# Altium PCB PCB1.PcbDoc (part 2 of 5) (continued)
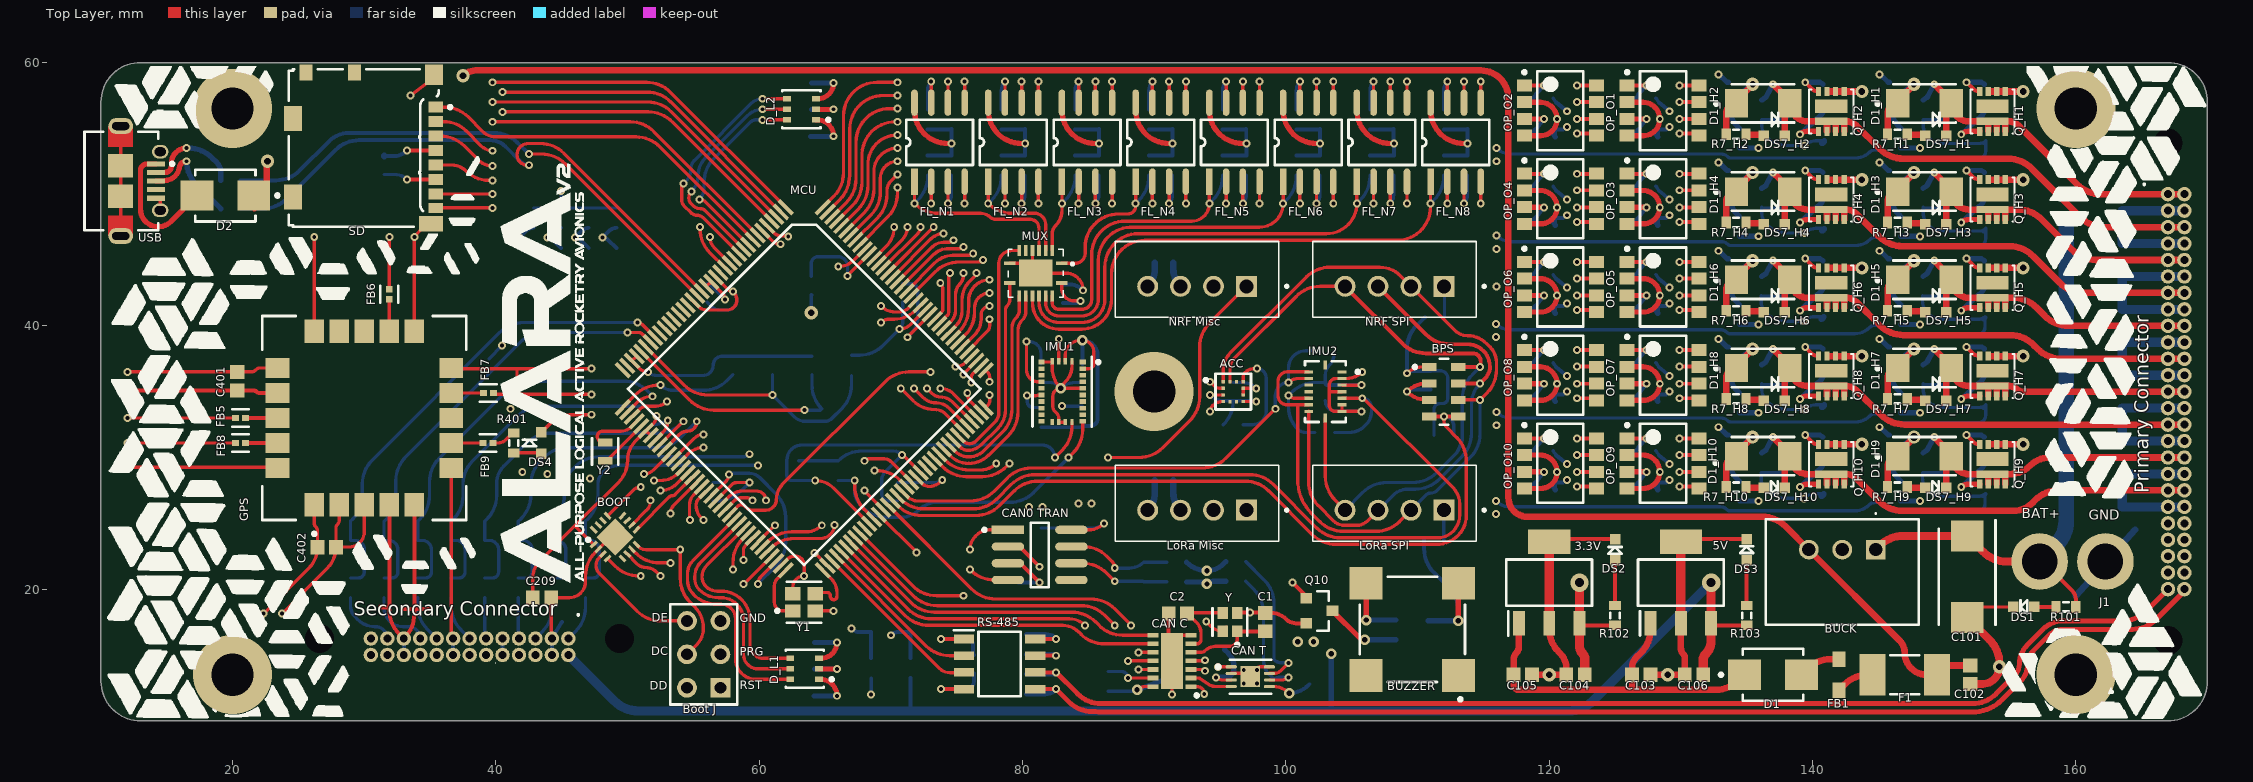
[diagram p0: Top Layer view]
## Nets (pads, with @x,y where several pads share a name; then routed paths per layer and width w, separated by ;. In a path a pad name is that pad's centre, name@x,y a point inside that pad or via, vN(x,y) a via of type N, cw(c..) or ccw(c..) an arc to the next point about the centre after c; other vN are vias at no path point) (continued)
  Bottom Layer w0.4: v3(88.7,12.35) 91,13.2 C3.2@91.35,13.525 ; C601.2@110.8,17.6 v3(113.1,17.6)
  Bottom Layer w0.5: 89.5,26 ccw(c88.172,27.328) 90.05,27.328 C602.2@90.05,28.25 ; 89.5,43 ccw(c88.172,44.328) 90.05,44.328 C603.2@90.05,44.8
5V: 5V.3 "CAN T.3" "Secondary Connector.14" "Secondary Connector.16" "Secondary Connector.17" "Secondary Connector.19" "Secondary Connector.20" "Secondary Connector.22" "Secondary Connector.23" "Secondary Connector.25" C5.2 C106.2 C604.2 R103.2 R106.1 | length 145.8
  Top Layer w0.254: v1(94.7,13.3) ccw(c95.183,13.783) 95.183,13.1 95.85,13.1
  Top Layer w0.3: 5V.3@132.662,17.25 R103.2@135,17.25
  Top Layer w0.7: C106.2@131.7,13.5 131.7,14.617 cw(c132.383,14.617) 131.9,15.1 ccw(c130.934,16.066) 132.3,16.066 5V.3@132.3,17.4 v6(132.3,20.5)
  Bottom Middle Layer w0.4: v1(94.7,13.3) 95.1,13.3 ccw(c95.1,14) 95.8,14 cw(c96.9,14) 96.9,15.1 v3(103.45,15.1)
  Bottom Middle Layer w0.5: 31.75,15 ccw(c33,15) 33,13.75 35.5,13.75 ; 34.25,15 35.5,15 35.5,13.75 ; 38,15 39.25,15 39.25,13.75 ; 41.75,15 43,15 43,13.75 ; 45.5,15 cw(c44.25,15) 44.25,13.75 43,13.75 ; 35.5,13.75 39.25,13.75 ; 39.25,13.75 43,13.75
  Bottom Layer w0.3: 71.45,10.75 71.5,10.75 R106.1@71.5,13.25
  Bottom Layer w0.4: v1(94.7,13.3) 95.4,13.3 ccw(c95.4,13.95) 96.05,13.95 96.05,14.15 ccw(c94.722,14.15) 95.661,15.089 C5.2@95.35,15.4 ; v3(103.45,15.1) 103.45,10.8 ccw(c103.5,10.8) 103.5,10.75
  Bottom Layer w0.7: 45.5,15 49.006,11.494 ccw(c50.802,13.29) 50.802,10.75 71.45,10.75 ; 71.5,10.75 103.5,10.75 121.498,10.75 ccw(c121.498,13.29) 123.294,11.494 v6(132.3,20.5)
"A BLU1": D_L1.4 MCU.63 | length 16
  Top Layer w0.254: MCU.63@58.818,24.605 56.012,21.799 ccw(c56.887,20.924) 55.65,20.924 ccw(c56.674,20.924) 55.95,20.2 ccw(c56.795,21.045) 56.795,19.85 57.1,19.85 cw(c57.1,17.65) 59.3,17.65 59.3,15.75 ccw(c60.3,15.75) 60.3,14.75 D_L1.4@62.35,14.75
"A BLU2": D_L2.4 MCU.11 | length 18.3
  Top Layer w0.254: v1(54.25,50.8) ccw(c54.612,50.438) 54.1,50.438 54.1,49.6 ccw(c54.824,49.6) 54.312,49.088 54.788,48.612 ccw(c55.3,49.124) 55.3,48.4 cw(c55.3,47.847) 55.691,48.238 MCU.11@58.464,45.464 ; v1(60.25,57.25) D_L2.4@62.1,57.25
  Bottom Layer w0.254: v1(54.25,50.8) 54.411,50.961 ccw(c53.472,51.9) 54.8,51.9 cw(c55.766,51.9) 55.083,52.583 59.396,56.896 cw(c60.25,56.043) v1(60.25,57.25)
"A GRN1": D_L1.5 MCU.62 | length 17.7
  Top Layer w0.254: MCU.62@58.464,24.958 55.555,22.049 ccw(c56.655,20.95) 55.1,20.95 55.1,20.795 ccw(c56.295,20.795) 55.45,19.95 ccw(c56.899,21.399) 56.899,19.35 57.1,19.35 cw(c57.1,17.65) 58.8,17.65 58.8,15.05 ccw(c59.9,15.05) 59.9,13.95 D_L1.5@62.35,13.95
"A GRN2": D_L2.5 MCU.10 | length 16.9
  Top Layer w0.254: v1(54.85,50.2) ccw(c55.333,49.717) 54.65,49.717 54.65,49.7 ccw(c55.254,49.7) 54.827,49.273 54.953,49.147 ccw(c55.55,49.745) 55.55,48.9 cw(c55.55,48.451) 55.868,48.768 MCU.10@58.818,45.818 ; v1(60.25,56.45) D_L2.5@62.1,56.45
  Bottom Layer w0.254: v1(54.85,50.2) 54.855,50.205 ccw(c53.66,51.4) 55.35,51.4 cw(c57.281,51.4) 55.916,52.766 59.14,55.99 cw(c60.25,54.881) v1(60.25,56.45)
"A RED1": D_L1.6 MCU.61 | length 19.4
  Top Layer w0.254: MCU.61@58.111,25.312 54.94,22.141 ccw(c55.88,21.2) 54.55,21.2 54.55,20.686 ccw(c56.086,20.686) 55,19.6 55.006,19.594 ccw(c56.802,21.39) 56.802,18.85 57.1,18.85 cw(c57.1,17.75) 58.2,17.75 58.2,14.7 ccw(c59.75,14.7) 59.75,13.15 D_L1.6@62.35,13.15
"A RED2": D_L2.6 MCU.9 | length 15.3
  Top Layer w0.254: v1(55.45,49.6) cw(c55.45,48.892) 55.95,49.393 MCU.9@59.172,46.172 ; v1(60.25,55.65) D_L2.6@62.1,55.65
  Bottom Layer w0.254: v1(55.45,49.6) 55.482,49.632 ccw(c54.714,50.4) 55.8,50.4 55.8,50.898 cw(c58.34,50.898) 56.544,52.694 59.3,55.45 cw(c59.783,54.967) 59.783,55.65 v1(60.25,55.65)
"ACC CSN": ACC.10 MCU.58 R403.2 | length 55.4
  Top Layer w0.254: MCU.58@57.05,26.373 57.723,27.045 cw(c58.7,26.068) 58.7,27.45 59.8,27.45 cw(c59.8,26.75) v1(60.5,26.75) ; ACC.10@96.762,35.75 96.762,36.118 cw(c97.232,36.118) 96.9,36.45 cw(c97.624,35.726) 97.624,36.75 v1(97.8,36.75)
  Top Middle Layer w0.254: v1(60.5,26.75) 79.293,26.75 cw(c79.293,25.043) v1(80.5,26.25)
  Layer 1 w0.254: v1(80.5,26.25) 81.356,27.106 cw(c83.152,25.31) 83.152,27.85 87.798,27.85 ccw(c87.798,30.39) 89.594,28.594 92.756,31.756 ccw(c90.96,33.552) 93.5,33.552 93.5,35.7 cw(c94.55,35.7) 94.55,36.75 v1(97.8,36.75)
  Bottom Layer w0.254: R403.2@96.75,32.5 97.5,32.5 ccw(c97.5,33.5) 98.5,33.5 98.5,36.05 ccw(c97.8,36.05) v1(97.8,36.75)
"ACC TRIG": ACC.4 MCU.59 | length 45.4
  Top Layer w0.254: MCU.59@57.404,26.019 58.077,26.692 cw(c58.7,26.068) 58.7,26.95 59.017,26.95 cw(c59.017,26.267) v1(59.5,26.75) ; v1(94.25,33.5) cw(c94.854,33.5) 94.427,33.927 94.45,33.95 cw(c95.174,33.226) 95.174,34.25 ACC.4@95.237,34.25
  Top Middle Layer w0.254: v1(59.5,26.75) 62.856,30.106 cw(c64.652,28.31) 64.652,30.85 72.198,30.85 cw(c72.198,28.31) 73.994,30.106 76.156,27.944 ccw(c77.952,29.74) 77.804,27.204 ccw(c77.817,27.458) 77.816,27.204 80.028,27.204 cw(c80.028,26.678) 80.4,27.05 80.459,26.991 ccw(c80.8,27.333) 80.8,26.85 80.9,26.85 cw(c80.9,26.25) v1(81.5,26.25)
  Layer 1 w0.254: v1(81.5,26.25) 81.706,26.456 cw(c83.502,24.66) 83.502,27.2 88.248,27.2 ccw(c88.248,29.74) 90.044,27.944 93.506,31.406 ccw(c91.71,33.202) 94.25,33.202 v1(94.25,33.5)
ADDR0: "JP H_J1.2" "JP L_J1.1" MCU.117 | length 37.8
  Top Layer w0.254: MCU.117@74.374,39.454 74.961,40.041 ccw(c73.903,41.1) 75.4,41.1 75.4,41.951 cw(c77.449,41.951) 76,43.4 76.429,43.829 ccw(c76.259,44) v1(76.5,44)
  Layer 2 w0.254: v1(48.1,46.7) 48.606,46.194 ccw(c50.402,47.99) 50.402,45.45 61.6,45.45 ccw(c61.6,47.14) 62.795,45.945 62.8,45.95 cw(c63.524,45.226) 63.524,46.25 73.198,46.25 cw(c73.198,43.71) 74.994,45.506 v1(76.5,44)
  Bottom Layer w0.3: 49.15,45.9 48.527,46.523 ccw(c48.1,46.096) v1(48.1,46.7) 48.638,47.238 cw(c49.15,46.726) 49.15,47.45
ADDR1: "JP H_J2.2" "JP L_J2.1" MCU.118 | length 38.4
  Top Layer w0.254: MCU.118@74.021,39.808 74.572,40.359 ccw(c73.782,41.15) 74.9,41.15 74.9,42.355 cw(c76.095,42.355) 75.25,43.2 ccw(c74.646,43.804) 75.5,43.804 v1(75.5,44)
  Layer 2 w0.254: v1(46,46.7) 47.206,45.494 ccw(c49.002,47.29) 49.002,44.75 62.626,44.75 ccw(c62.626,45.774) 63.35,45.05 cw(c64.919,43.481) 64.919,45.7 72.748,45.7 cw(c72.748,43.16) 74.544,44.956 v1(75.5,44)
  Bottom Layer w0.3: 47.05,45.9 46.427,46.523 ccw(c46,46.096) v1(46,46.7) 46.538,47.238 cw(c47.05,46.726) 47.05,47.45
ADDR2: "JP H_J3.2" "JP L_J3.1" MCU.119 | length 39.1
  Top Layer w0.254: MCU.119@73.667,40.161 74.254,40.748 ccw(c73.903,41.1) 74.4,41.1 74.4,43.759 cw(c74.741,43.759) v1(74.5,44)
  Layer 2 w0.254: v1(43.9,46.7) 45.856,44.744 ccw(c47.652,46.54) 47.652,44 63.534,44 ccw(c63.534,45.366) 64.5,44.4 64.72,44.62 cw(c66,43.339) 66,45.15 72.298,45.15 cw(c72.298,42.61) 74.094,44.406 v1(74.5,44)
  Bottom Layer w0.3: 44.95,45.9 44.327,46.523 ccw(c43.9,46.096) v1(43.9,46.7) 44.438,47.238 cw(c44.95,46.726) 44.95,47.45
ADDR3: "JP H_J4.2" "JP L_J4.1" MCU.120 | length 39.2
  Top Layer w0.254: MCU.120@73.314,40.515 73.872,41.073 ccw(c73.692,41.252) 73.946,41.252 73.946,42.777 ccw(c73.277,42.777) v1(73.75,43.25)
  Layer 2 w0.254: v1(41.8,46.7) 44.456,44.044 ccw(c46.252,45.84) 46.252,43.3 65.117,43.3 cw(c65.117,42.617) 65.6,43.1 ccw(c66.204,43.704) 66.204,42.85 72.784,42.85 ccw(c72.784,44.216) v1(73.75,43.25)
  Bottom Layer w0.3: 42.85,45.9 42.227,46.523 ccw(c41.8,46.096) v1(41.8,46.7) 42.338,47.238 cw(c42.85,46.726) 42.85,47.45
AIN1: "Secondary Connector.1" R1_F1.1 | length 3.5
  Bottom Layer w0.254: 45.5,16.25 46.056,16.806 ccw(c44.26,18.602) 46.8,18.602 R1_F1.1@46.8,19.35
AIN2: "Secondary Connector.3" R1_F2.1 | length 3.5
  Bottom Layer w0.254: 43,16.25 43.506,16.756 ccw(c41.71,18.552) 44.25,18.552 R1_F2.1@44.25,19.35
AIN3: "Secondary Connector.4" R1_F3.1 | length 3.1
  Bottom Layer w0.254: R1_F3.1@41.7,19.35 41.7,16.371 ccw(c41.871,16.371) 41.75,16.25
AIN4: "Secondary Connector.6" R1_F4.1 | length 3.1
  Bottom Layer w0.254: R1_F4.1@39.15,19.35 39.15,16.491 ccw(c39.491,16.491) 39.25,16.25
AIN5: "Secondary Connector.7" R1_F5.1 | length 3.6
  Bottom Layer w0.254: R1_F5.1@36.6,19.35 36.6,18.702 ccw(c39.14,18.702) 37.344,16.906 38,16.25
AIN6: "Secondary Connector.9" R1_F6.1 | length 3.6
  Bottom Layer w0.254: R1_F6.1@34.05,19.35 34.05,18.752 ccw(c36.59,18.752) 34.794,16.956 35.5,16.25
AIN7: "Secondary Connector.10" R1_F7.1 | length 4.8
  Bottom Layer w0.254: R1_F7.1@31.5,19.35 31.5,18.6 ccw(c32.95,18.6) 32.95,17.15 33.35,17.15 cw(c33.35,16.25) 34.25,16.25
AIN8: "Secondary Connector.12" R1_F8.1 | length 4.7
  Bottom Layer w0.254: R1_F8.1@28.95,19.35 28.95,18.745 ccw(c30.145,18.745) 29.3,17.9 29.52,17.68 ccw(c30.8,18.961) 30.8,17.15 30.85,17.15 cw(c30.85,16.25) 31.75,16.25
AOUT1: C_F1.2 MCU.92 R1_F1.2 R2_F1.1 | length 34.4
  Top Layer w0.254: v1(68,29.75) cw(c68.362,29.388) 68.362,29.9 69.5,29.9 cw(c69.5,29.209) 69.989,29.698 MCU.92@71.546,28.14
  Layer 2 w0.254: v1(59.9,29.4) cw(c60.745,28.555) 60.745,29.75 v1(68,29.75)
  Bottom Layer w0.254: R1_F1.2@46.8,20.85 47.4,20.85 ccw(c47.4,21.3) 47.85,21.3 47.85,23 ccw(c47.15,23) 47.15,23.7 C_F1.2@46.8,23.7 R2_F1.1@46.8,25.15 47.006,25.356 ccw(c45.21,27.152) 47.75,27.152 47.75,28 cw(c48.957,28) 48.104,28.854 48.15,28.9 cw(c49.357,27.693) 49.357,29.4 v1(59.9,29.4)
AOUT2: C_F2.2 MCU.91 R1_F2.2 R2_F2.1 | length 37.8
  Top Layer w0.254: v1(68.75,29) 68.927,29 cw(c68.927,26.46) 70.723,28.256 MCU.91@71.192,27.787
  Layer 2 w0.254: v1(59.25,30.25) cw(c60.095,29.405) 60.095,30.6 68,30.6 cw(c68,29.85) 68.75,29.85 v1(68.75,29)
  Bottom Layer w0.254: R1_F2.2@44.25,20.85 44.85,20.85 ccw(c44.85,21.3) 45.3,21.3 45.3,23 ccw(c44.6,23) 44.6,23.7 C_F2.2@44.25,23.7 R2_F2.1@44.25,25.15 44.456,25.356 ccw(c42.66,27.152) 45.2,27.152 45.2,27.576 cw(c47.431,27.576) 45.853,29.153 46.006,29.306 cw(c47.802,27.51) 47.802,30.05 58.767,30.05 ccw(c58.767,30.733) v1(59.25,30.25)
AOUT3: C_F3.2 MCU.46 R1_F3.2 R2_F3.1 | length 27.3
  Top Layer w0.254: MCU.46@52.808,30.615 53.939,31.747 cw(c54.55,31.137) 54.55,32 ccw(c54.55,32.7) 55.25,32.7 v1(55.25,32.75)
  Bottom Layer w0.254: R1_F3.2@41.7,20.85 42.3,20.85 ccw(c42.3,21.3) 42.75,21.3 42.75,23 ccw(c42.05,23) 42.05,23.7 C_F3.2@41.7,23.7 R2_F3.1@41.7,25.15 41.906,25.356 ccw(c40.11,27.152) 42.65,27.152 42.65,27.948 cw(c45.19,27.948) 43.394,29.744 43.656,30.006 cw(c45.452,28.21) 45.452,30.75 52.198,30.75 ccw(c52.198,33.29) 53.994,31.494 v1(55.25,32.75)
AOUT4: C_F4.2 MCU.45 R1_F4.2 R2_F4.1 | length 27.9
  Top Layer w0.254: MCU.45@52.454,30.969 54.225,32.74 cw(c54.25,32.714) v1(54.25,32.75)
  Bottom Layer w0.254: R1_F4.2@39.15,20.85 39.75,20.85 ccw(c39.75,21.3) 40.2,21.3 40.2,23 ccw(c39.5,23) 39.5,23.7 C_F4.2@39.15,23.7 R2_F4.1@39.15,25.15 39.306,25.306 ccw(c37.51,27.102) 40.05,27.102 40.05,28 cw(c41.981,28) 40.616,29.366 42.356,31.106 cw(c44.152,29.31) 44.152,31.85 52.298,31.85 ccw(c52.298,34.39) 54.094,32.594 v1(54.25,32.75)
AOUT5: C_F5.2 MCU.39 R1_F5.2 R2_F5.1 | length 30.5
  Top Layer w0.254: MCU.39@50.333,33.09 50.925,33.683 cw(c51.45,33.158) 51.45,33.9 52.155,33.9 ccw(c52.155,35.095) v1(53,34.25)
  Bottom Layer w0.254: R1_F5.2@36.6,20.85 37.2,20.85 ccw(c37.2,21.3) 37.65,21.3 37.65,23 ccw(c36.95,23) 36.95,23.7 C_F5.2@36.6,23.7 R2_F5.1@36.6,25.15 36.756,25.306 ccw(c34.96,27.102) 37.5,27.102 37.5,28 cw(c39.914,28) 38.207,29.707 41.656,33.156 cw(c43.452,31.36) 43.452,33.9 52.155,33.9 ccw(c52.155,35.095) v1(53,34.25)
AOUT6: C_F6.2 MCU.38 R1_F6.2 R2_F6.1 | length 32.4
  Top Layer w0.254: MCU.38@49.979,33.444 50.68,34.145 cw(c51.9,32.925) v1(51.9,34.65)
  Bottom Layer w0.254: R1_F6.2@34.05,20.85 34.65,20.85 ccw(c34.65,21.3) 35.1,21.3 35.1,23 ccw(c34.4,23) 34.4,23.7 C_F6.2@34.05,23.7 R2_F6.1@34.05,25.15 34.206,25.306 ccw(c32.41,27.102) 34.95,27.102 34.95,28.148 cw(c37.49,28.148) 35.694,29.944 40.806,35.056 cw(c42.602,33.26) 42.602,35.8 49.698,35.8 cw(c49.698,33.26) 51.494,35.056 v1(51.9,34.65)
AOUT7: C_F7.2 MCU.30 R1_F7.2 R2_F7.1 | length 34
  Top Layer w0.254: v1(50,39.5) 50.8,39.5 cw(c50.8,39.032) 51.131,39.363 MCU.30@51.747,38.747
  Bottom Layer w0.254: R1_F7.2@31.5,20.85 32.1,20.85 ccw(c32.1,21.3) 32.55,21.3 32.55,23 ccw(c31.85,23) 31.85,23.7 C_F7.2@31.5,23.7 R2_F7.1@31.5,25.15 31.656,25.306 ccw(c29.86,27.102) 32.4,27.102 32.4,28.248 cw(c34.94,28.248) 33.144,30.044 41.856,38.756 cw(c43.652,36.96) 43.652,39.5 v1(50,39.5)
AOUT8: C_F8.2 MCU.29 R1_F8.2 R2_F8.1 | length 37.2
  Top Layer w0.254: v1(50.75,40.25) cw(c50.75,39.765) 51.093,40.108 MCU.29@52.101,39.101
  Bottom Layer w0.254: R1_F8.2@28.95,20.85 29.55,20.85 ccw(c29.55,21.3) 30,21.3 30,23 ccw(c29.3,23) 29.3,23.7 C_F8.2@28.95,23.7 R2_F8.1@28.95,25.15 29.106,25.306 ccw(c27.31,27.102) 29.85,27.102 29.85,28 cw(c32.385,28) 30.592,29.792 40.306,39.506 cw(c42.102,37.71) 42.102,40.25 v1(50.75,40.25)
BAT+: BUCK.1 C101.1 D1_H1.1 D1_H2.1 D1_H3.1 D1_H4.1 D1_H5.1 D1_H6.1 D1_H7.1 D1_H8.1 D1_H9.1 D1_H10.1 F_PTC1.1 F_PTC2.1 F_PTC3.1 F_PTC4.1 F_PTC5.1 J1.1 R3_H1.2 R3_H2.2 R3_H3.2 R3_H4.2 R3_H5.2 R3_H6.2 R3_H7.2 R3_H8.2 R3_H9.2 R3_H10.2 R4_H1.2 R4_H2.2 R4_H3.2 R4_H4.2 R4_H5.2 R4_H6.2 R4_H7.2 R4_H8.2 R4_H9.2 R4_H10.2 R7_H1.2 R7_H2.2 R7_H3.2 R7_H4.2 R7_H5.2 R7_H6.2 R7_H7.2 R7_H8.2 R7_H9.2 R7_H10.2 R101.2 | length 271.7
  Top Layer w0.3: D1_H10.1@134.225,30.1 D1_H10.1@134.225,30.29 ; D1_H8.1@134.225,36.8 D1_H8.1@134.225,36.99 ; D1_H6.1@134.225,43.5 D1_H6.1@134.225,43.69 ; D1_H4.1@134.225,50.2 D1_H4.1@134.225,50.39 ; D1_H2.1@134.225,56.9 D1_H2.1@134.225,57.09 ; v2@135.45,38.215 v2(135.45,38.25) ; v2@135.45,44.915 v2(135.45,44.95) ; v2@135.45,51.615 v2(135.45,51.65) ; v2@135.45,58.315 v2(135.45,58.35) ; D1_H9.1@146.475,30.1 D1_H9.1@146.475,30.29 ; D1_H7.1@146.475,36.8 D1_H7.1@146.475,36.99 ; D1_H5.1@146.475,43.5 D1_H5.1@146.475,43.69 ; D1_H3.1@146.475,50.2 D1_H3.1@146.475,50.39 ; D1_H1.1@146.475,56.9 D1_H1.1@146.475,57.09 ; v7@147.7,31.515 v7(147.7,31.55) ; v2@147.7,38.215 v2(147.7,38.25) ; v2@147.7,44.915 v2(147.7,44.95) ; v2@147.7,51.615 v2(147.7,51.65) ; v2@147.7,58.315 v2(147.7,58.35) ; J1.1@157.25,22.1 cw(c157.25,21.496) 157.677,21.923 159.75,19.85 cw(c159.146,19.246) 160,19.246 R101.2@160,18.65
  Top Layer w0.5: R7_H10.2@133.45,27.75 133.45,29.325 cw(c134.225,29.325) D1_H10.1@134.225,30.1 ; R7_H8.2@133.45,34.45 133.45,36.025 cw(c134.225,36.025) D1_H8.1@134.225,36.8 ; R7_H6.2@133.45,41.15 133.45,42.725 cw(c134.225,42.725) D1_H6.1@134.225,43.5 ; R7_H4.2@133.45,47.85 133.45,49.425 cw(c134.225,49.425) D1_H4.1@134.225,50.2 ; R7_H2.2@133.45,54.55 133.45,56.125 cw(c134.225,56.125) D1_H2.1@134.225,56.9 ; D1_H10.1@134.225,30.29 134.404,30.469 ccw(c134.051,30.823) 134.41,30.475 v2(135.449,31.546) ; D1_H8.1@134.225,36.99 v2@135.45,38.215 ; D1_H6.1@134.225,43.69 v2@135.45,44.915 ; D1_H4.1@134.225,50.39 v2@135.45,51.615 ; D1_H2.1@134.225,57.09 v2@135.45,58.315 ; R7_H9.2@145.7,27.75 145.7,29.325 cw(c146.475,29.325) D1_H9.1@146.475,30.1 ; R7_H7.2@145.7,34.45 145.7,36.025 cw(c146.475,36.025) D1_H7.1@146.475,36.8 ; R7_H5.2@145.7,41.15 145.7,42.725 cw(c146.475,42.725) D1_H5.1@146.475,43.5 ; R7_H3.2@145.7,47.85 145.7,49.425 cw(c146.475,49.425) D1_H3.1@146.475,50.2 ; R7_H1.2@145.7,54.55 145.7,56.125 cw(c146.475,56.125) D1_H1.1@146.475,56.9 ; D1_H9.1@146.475,30.29 v7@147.7,31.515 ; D1_H7.1@146.475,36.99 v2@147.7,38.215 ; D1_H5.1@146.475,43.69 v2@147.7,44.915 ; D1_H3.1@146.475,50.39 v2@147.7,51.615 ; D1_H1.1@146.475,57.09 v2@147.7,58.315
  Top Layer w0.6: BUCK.1@144.8,23 145.106,23.306 cw(c146.902,21.51) 146.902,24.05 C101.1@151.75,24.05 152.956,22.844 ccw(c154.752,24.64) 154.752,22.1 J1.1@157.25,22.1
  Top Middle Layer w0.6: v2(135.449,31.546) 136.557,30.443 ccw(c138.352,32.24) 138.352,29.7 144.798,29.7 ccw(c144.798,32.24) 146.594,30.444 v7(147.7,31.55) 148.354,30.896 ccw(c150.15,32.692) 150.15,30.152 153.35,30.152 ; v2(135.45,38.25) 136.656,37.044 ccw(c138.452,38.84) 138.452,36.3 144.698,36.3 ccw(c144.698,38.84) 146.494,37.044 v2(147.7,38.25) 148.656,37.294 ccw(c150.452,39.09) 150.452,36.55 153.35,36.55 ; v2(135.45,44.95) 136.506,43.894 ccw(c138.302,45.69) 138.302,43.15 144.848,43.15 ccw(c144.848,45.69) 146.644,43.894 v2(147.7,44.95) 148.606,44.044 ccw(c150.402,45.84) 150.402,43.3 153.35,43.3 ; v2(135.45,51.65) 136.406,50.694 ccw(c138.202,52.49) 138.202,49.95 144.948,49.95 ccw(c144.948,52.49) 146.744,50.694 v2(147.7,51.65) 148.756,50.594 ccw(c150.552,52.39) 150.552,49.85 153.35,49.85 153.35,54.46 ccw(c150.81,54.46) 150.81,57 149.6,57 cw(c149.6,58.328) 148.661,57.389 v2(147.7,58.35) 146.744,57.394 cw(c144.948,59.19) 144.948,56.65 138.202,56.65 cw(c138.202,59.19) 136.406,57.394 v2(135.45,58.35)
  Top Middle Layer w1: 153.35,49.85 153.35,43.3 153.35,36.55 153.35,30.152 153.35,27.052 ccw(c155.89,27.052) 154.094,25.256 J1.1@157.25,22.1
  Bottom Layer w0.4: R3_H10.2@134.45,28.2 134.344,28.306 cw(c136.14,30.102) 133.6,30.102 R4_H10.2@133.6,30.2 133.767,30.283 ccw(c133.587,30.64) 133.828,30.321 v2(135.449,31.546) ; R3_H8.2@134.45,34.9 134.344,35.006 cw(c136.14,36.802) 133.6,36.802 R4_H8.2@133.6,36.9 133.8,37 v2(135.45,38.25) ; R3_H6.2@134.45,41.6 134.344,41.706 cw(c136.14,43.502) 133.6,43.502 R4_H6.2@133.6,43.6 133.8,43.7 v2(135.45,44.95) ; R3_H4.2@134.45,48.3 134.344,48.406 cw(c136.14,50.202) 133.6,50.202 R4_H4.2@133.6,50.3 133.8,50.4 v2(135.45,51.65) ; R3_H2.2@134.45,55 134.344,55.106 cw(c136.14,56.902) 133.6,56.902 R4_H2.2@133.6,57 133.8,57.1 v2(135.45,58.35) ; R3_H9.2@146.7,28.2 146.594,28.306 cw(c148.39,30.102) 145.85,30.102 R4_H9.2@145.85,30.2 146.05,30.3 v7(147.7,31.55) ; R3_H7.2@146.7,34.9 146.594,35.006 cw(c148.39,36.802) 145.85,36.802 R4_H7.2@145.85,36.9 146.05,37 v2(147.7,38.25) ; R3_H5.2@146.7,41.6 146.594,41.706 cw(c148.39,43.502) 145.85,43.502 R4_H5.2@145.85,43.6 146.05,43.7 v2(147.7,44.95) ; R3_H3.2@146.7,48.3 146.594,48.406 cw(c148.39,50.202) 145.85,50.202 R4_H3.2@145.85,50.3 146.05,50.4 v2(147.7,51.65) ; R3_H1.2@146.7,55 146.594,55.106 cw(c148.39,56.902) 145.85,56.902 R4_H1.2@145.85,57 146.05,57.1 v2(147.7,58.35)
  Bottom Layer w1.2: J1.1@157.25,22.1 158.531,23.381 ccw(c156.735,25.177) 159.275,25.177 F_PTC5.1@159.275,27.7 F_PTC4.1@159.275,32.8 F_PTC3.1@159.275,37.9 F_PTC2.1@159.275,43 F_PTC1.1@159.275,48.1
"BOOT PTA6": BOOT.6 MCU.51 | length 12.2
  Top Layer w0.254: BOOT.6@49.969,22.677 50.746,21.9 ccw(c51.35,22.504) 51.35,21.65 cw(c51.35,20.443) 52.204,21.296 v1(52.5,21) ; v1(52.5,27.5) ccw(c52.5,29.257) 53.743,28.015 MCU.51@54.575,28.847
  Bottom Middle Layer w0.254: v1(52.5,21) v1(52.5,27.5)
"BOOT PTB1": BOOT.9 MCU.52 | length 5.9
  Top Layer w0.254: BOOT.9@50.676,24.516 53.162,27.001 cw(c53.4,26.764) 53.4,27.1 ccw(c53.4,27.426) 53.63,27.195 MCU.52@54.929,28.494
"BPS CSN": BPS.4 BPS.5 MCU.88 R402.2 | length 59.9
  Top Layer w0.254: MCU.88@70.132,26.726 70.514,26.344 ccw(c72.31,28.14) 72.31,25.6 76.448,25.6 ccw(c76.448,28.14) 78.244,26.344 79.356,27.456 cw(c81.152,25.66) 81.152,28.2 96.908,28.2 cw(c96.908,25.66) 98.704,27.456 102.016,24.144 ccw(c103.812,25.94) 103.812,23.4 111.41,23.4 ccw(c111.41,25.79) 113.1,24.1 ccw(c111.651,25.549) 113.7,25.549 113.7,29.748 ccw(c111.16,29.748) 112.956,31.544 112.25,32.25 cw(c112.854,32.854) v1@112,32.854
  Top Layer w0.3: BPS.4@110.9,33.125 v1(112,33.125) ; v1@112,32.854 v1(112,33.125) ; BPS.5@113.1,33.125 v1(112,33.125)
  Bottom Layer w0.254: v1(112,33.125) cw(c112,32.375) 112.75,32.375 R402.2@112.75,31.7
BUZZ: MCU.81 Q10.1 | length 36.6
  Top Layer w0.254: MCU.81@67.657,24.251 71.664,20.244 ccw(c73.46,22.04) 73.46,19.5 v1(75.5,19.5) ; Q10.1@101.444,19.556 cw(c101.188,19.3) Q10.1@101.55,19.3
  Top Layer w0.3: v1(100.5,20.5) Q10.1@101.444,19.556
  Top Middle Layer w0.254: v1(75.5,19.5) 98.448,19.5 ccw(c98.448,22.04) 100.244,20.244 v1(100.5,20.5)
CAN0H: "CAN0 TRAN.7" JP3.1 R308.1 | length 8.1
  Top Layer w0.254: 83.714,23.235 84.613,23.235 cw(c84.613,20.695) 86.409,22.491 86.788,22.112 cw(c86.276,21.6) v1(87,21.6)
  Bottom Layer w0.254: v1(87,21.6) 88.114,21.6 ccw(c88.114,23.136) R308.1@89.2,22.05 JP3.1@90.95,22.05
CAN0L: "CAN0 TRAN.6" JP4.1 R308.2 | length 7.7
  Top Layer w0.254: 83.714,21.965 84.583,21.965 cw(c84.583,19.425) 86.379,21.221 v1(87,20.6)
  Bottom Layer w0.254: v1(87,20.6) 89.079,20.6 cw(c89.079,20.429) R308.2@89.2,20.55 JP4.1@90.95,20.55
CAN0RX: "CAN0 TRAN.4" MCU.65 | length 23.4
  Top Layer w0.254: v1(58.8,22.2) 58.8,22.9 cw(c59.458,22.9) 58.993,23.365 MCU.65@59.525,23.898 ; v1(76,21.5) 76.061,21.439 ccw(c77.857,23.235) 77.857,20.695 78.886,20.695
  Bottom Middle Layer w0.254: v1(58.8,22.2) 59.356,22.756 cw(c61.152,20.96) 61.152,23.5 72.948,23.5 cw(c72.948,20.96) 74.744,22.756 v1(76,21.5)
CAN0TX: "CAN0 TRAN.1" MCU.64 | length 26.6
  Top Layer w0.254: v1(58,21.5) 58,22.028 cw(c60.54,22.028) 58.744,23.824 MCU.64@59.172,24.251 ; v1(76,23) cw(c77.449,23) 76.424,24.024 ; 76.424,24.024 76.5,24.1 cw(c77.478,23.122) 77.478,24.505 78.886,24.505
  Bottom Middle Layer w0.254: v1(58,21.5) 58,21.651 cw(c60.049,21.651) 58.6,23.1 58.756,23.256 cw(c60.552,21.46) 60.552,24 73.948,24 cw(c73.948,21.46) 75.744,23.256 v1(76,23)
"CAN CLKO": "CAN C.3" MCU.87 | length 29.9
  Top Layer w0.254: MCU.87@69.778,26.373 76.157,19.994 ccw(c77.953,21.79) 77.953,19.25 85.198,19.25 cw(c85.198,16.71) 86.994,18.506 v1(88.25,17.25) ; 92.8,13.9 93.656,13.9 93.756,13.8 v1(93.85,13.8)
  Top Middle Layer w0.254: v1(88.25,17.25) 88.348,17.25 cw(c88.348,14.71) 90.144,16.506 92.143,14.507 ccw(c93.85,16.214) v1(93.85,13.8)
"CAN CS": "CAN C.13" MCU.78 R2.1 | length 29.4
  Top Layer w0.254: MCU.78@66.596,23.191 71.293,18.494 ccw(c73.089,20.29) 73.089,17.75 83.543,17.75 cw(c83.543,16.043) v1(84.75,17.25) ; v1(88,13.25) 89.9,13.25
  Top Middle Layer w0.254: v1(84.75,17.25) ccw(c86.561,17.25) 85.28,15.97 v1(88,13.25)
  Bottom Layer w0.254: R2.1@86.5,13.75 87.5,13.75 cw(c87.5,13.25) v1(88,13.25)
"CAN INTN": "CAN C.4" MCU.80 | length 31.8
  Top Layer w0.254: MCU.80@67.303,23.898 71.707,19.494 ccw(c73.503,21.29) 73.503,18.75 84.448,18.75 cw(c84.448,16.21) 86.244,18.006 v1(87,17.25) ; 92.8,14.55 93.8,14.55 v1(93.85,14.6)
  Top Middle Layer w0.254: v1(87,17.25) 87.482,17.732 cw(c88.25,16.964) 88.25,18.05 89.348,18.05 cw(c89.348,15.51) 91.144,17.306 v1(93.85,14.6)